# KiCad board panel_rp2354_20x20.kicad_pcb (continued)
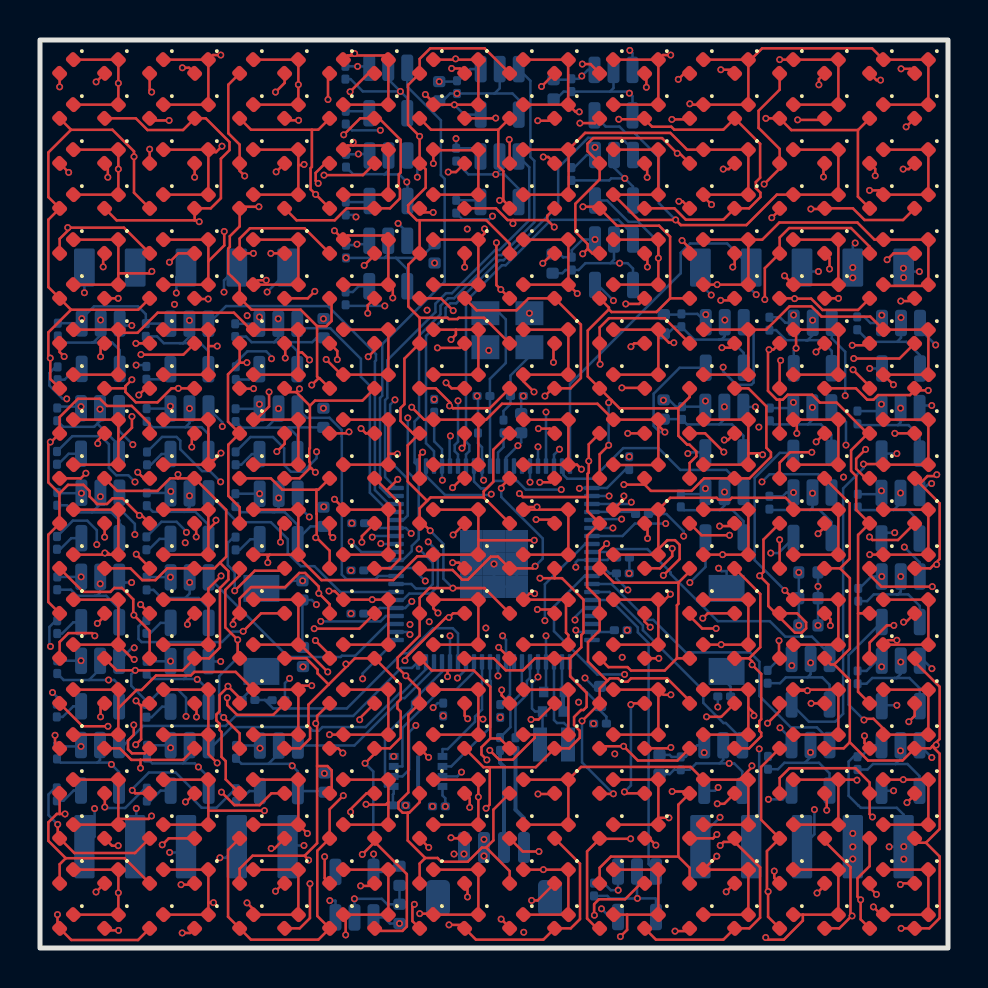
[diagram p0: board, top side]
## Routing (per net, layer and track width the routed paths; a pad name or vN(x,y) marks a point on that pad's centre or on a via; arc(x,y) is an arc through that point) (continued)
  In2.Cu w0.127: v1(42.67,28.16) 42.47,27.96 42.47,25.98 42.31,25.82 42.31,25.52 42.47,25.36 42.47,21.01 42.37,20.92 42.37,19.66 42.47,19.56 42.47,16.42 42.33,16.28 42.33,15.98 42.47,15.84 42.47,8.07 v1(42.68,7.86)
  Bottom w0.127: U39.5 v1(42.68,7.86)
/drivers/ROW_17: length 98.3
  Top w0.127: 17.42,33.26 D158.1 D138.1 ; 17.42,33.26 D118.1 17.21,35.63 15.38,35.63 D98.1 ; 17.42,33.26 17.64,33.04 v1(17.64,32.5) ; D58.1 D78.1 8.42,34.34 ; D18.1 D38.1 8.42,34.34 ; 8.42,34.34 9.21,35.13 v1(9.21,35.83) ; D238.1 26.42,33.17 26.42,35.42 D198.1 D178.1 ; D238.1 D218.1 ; D238.1 v1(26.86,32.72) ; D298.1 v1(33.86,33.17) D318.1 D278.1 ; D278.1 36.11,35.42 36.97,36.27 40.87,36.27 41.72,35.42 D338.1 D358.1 D398.1 44.36,33.11 42.23,33.11 D378.1 ; D278.1 D258.1 ; v1(14.72,35.86) D98.1 ; D98.1 15.17,35.22
  In1.Cu w0.127: v1(14.72,35.86) 14.69,35.83 v1(9.21,35.83) ; v1(17.64,32.5) 17.7,32.56 19.66,32.56 19.72,32.5 26.64,32.5 v1(26.86,32.72) 27.31,33.17 v1(33.86,33.17)
  In2.Cu w0.127: v1(33.86,33.17) 34.89,32.13 34.89,14.68 34.73,14.52 34.73,10.69 33.54,9.5 33.54,7.88 33.84,7.58 36.28,7.58 v1(36.42,7.43)
  Bottom w0.127: U40.5 37.14,7.43 v1(36.42,7.43)
/drivers/ROW_18: length 108.9
  Top w0.127: v1(15.66,40.29) 15.66,40.13 ; 15.66,40.13 15.38,40.13 D99.1 ; 15.66,40.13 17.21,40.13 D119.1 D159.1 D139.1 ; D339.1 D359.1 D399.1 D379.1 41.96,37.88 v1(41.48,37.88) ; v1(9.1,40.09) 8.8,39.8 8.42,39.8 ; 8.42,39.8 D79.1 D59.1 ; 8.42,39.8 D39.1 D19.1 ; D199.1 26.43,39.91 26.43,37.68 D239.1 D219.1 ; D199.1 27.25,40.75 31.52,40.75 32.35,39.92 D259.1 D279.1 D319.1 D299.1 33.17,37.58 v1(33.58,37.17) ; D199.1 D179.1
  In1.Cu w0.127: v1(9.1,40.09) 9.3,40.29 v1(15.66,40.29) 15.73,40.22 19.51,40.22 21.73,38 32.75,38 v1(33.58,37.17) 34.18,37.78 41.37,37.78 v1(41.48,37.88)
  In2.Cu w0.127: v1(33.58,37.17) 35.15,35.6 35.15,14.58 34.99,14.42 34.99,9.1 v1(33.91,8.03)
  Bottom w0.127: v1(33.91,8.03) 33.75,7.86 U41.5
/drivers/ROW_19: length 110.2
  Top w0.127: D240.1 26.41,42.18 26.41,44.41 D200.1 D180.1 ; D240.1 D220.1 ; D240.1 26.78,41.81 v1(26.96,41.81) ; v1(9.04,44.65) 8.65,44.65 D40.1 ; D100.1 15.38,44.63 15.52,44.63 ; D380.1 D400.1 D360.1 D340.1 41.6,44.98 36.11,44.98 35.42,44.3 ; D260.1 D280.1 35.42,44.3 ; v1(15.73,44.72) 15.61,44.72 15.52,44.63 ; 15.52,44.63 17.21,44.63 D120.1 D160.1 D140.1 ; 35.42,44.3 D320.1 D300.1 32.53,42.17 v1(32.49,42.21) ; D40.1 D80.1 D60.1 ; D40.1 D20.1
  In1.Cu w0.127: v1(9.04,44.65) 9.11,44.72 v1(15.73,44.72) 19.07,44.72 20.29,43.5 23.38,43.5 25.08,41.81 v1(26.96,41.81) 32.09,41.81 v1(32.49,42.21)
  In2.Cu w0.127: v1(26.96,41.81) 28.16,40.61 28.16,30.9 28.41,30.64 28.41,27.76 27.81,27.17 27.81,20.22 28.07,19.96 v1(28.07,1.96)
  Bottom w0.127: v1(28.07,1.96) 28.48,1.55 U42.5
/drivers/ROW_MCU_00: length 23
  Bottom w0.127: U2.21 18.73,24.27 18.73,26.33 18.95,26.55 18.95,30.61 20.03,31.69 20.03,32.11 20.4,32.49 20.7,32.49 22.86,34.65 23.08,34.65 24.72,36.28 24.72,39.36 24.52,39.55 24.52,43.36 23.94,43.95
/drivers/ROW_MCU_01: length 30.7
  In2.Cu w0.127: v1(29.49,44.88) 26.59,41.98 26.59,38.52 22.05,33.98 22.05,29.71 22.56,29.2 v1(22.56,22.69)
  Bottom w0.127: U24.3 29.62,44.74 v1(29.49,44.88) ; U2.22 19.3,23.6 20.25,22.65 22.52,22.65 v1(22.56,22.69)
/drivers/ROW_MCU_02: length 23
  Bottom w0.127: U2.23 19.7,24.84 19.3,25.24 19.3,30.6 20.28,31.58 20.28,32 20.51,32.23 20.81,32.23 22.97,34.39 23.18,34.39 25.91,37.12 25.91,39.01 27.41,40.51 29.06,40.51 29.65,39.92 U25.3
/drivers/ROW_MCU_03: length 26.1
  In1.Cu w0.127: v1(20.52,25.6) 26.21,25.6 27.3,26.69 34.37,26.69 35.36,27.68 40.19,27.68 v1(40.26,27.61)
  Bottom w0.127: v1(20.52,25.6) 20.48,25.56 20.48,24.12 U2.25 ; U26.3 39.59,30.48 40.26,29.81 v1(40.26,27.61)
/drivers/ROW_MCU_04: length 22.6
  In1.Cu w0.127: v1(34.16,29.04) 28.89,29.04 28.65,28.8 22.34,28.8 v1(20.9,27.36)
  Bottom w0.127: U27.3 35.68,30.8 35.68,28.27 35.57,28.16 34.83,28.16 34.16,28.83 v1(34.16,29.04) ; v1(20.9,27.36) 20.9,25.31 20.73,25.15 20.73,24.84 20.9,24.68 U2.26
/drivers/ROW_MCU_05: length 19
  Bottom w0.127: U2.27 21.3,24.68 21.47,24.84 21.47,25.15 21.3,25.31 21.3,32.34 23.1,34.14 23.29,34.14 25.56,36.41 28.92,36.41 29.65,35.68 U28.3
/drivers/ROW_MCU_06: length 25.8
  In1.Cu w0.127: v1(40.3,25.15) 40.88,24.56 41.34,24.56 41.6,24.31 41.6,24.1 41.31,23.81 40.45,23.81 40.34,23.92 34.53,23.92 34.29,23.69 29.28,23.69 29.16,23.56 26.71,23.56 v1(26.06,22.92)
  Bottom w0.127: v1(26.06,22.92) 24.29,22.92 23.86,23.35 22.71,23.35 22.33,22.98 22.05,22.98 21.7,23.33 U2.28 ; v1(40.3,25.15) 40.3,26.3 U29.3
/drivers/ROW_MCU_07: length 13.3
  In1.Cu w0.127: v1(24.9,25.06) 25.18,25.34 27.5,25.34 28.59,26.44 35.15,26.44 v1(35.77,27.06)
  Bottom w0.127: U30.3 v1(35.77,27.06) ; U2.36 v1(24.9,25.06)
/drivers/ROW_MCU_08: length 25.1
  In1.Cu w0.127: v1(44.78,30.15) 43.17,28.54 29.44,28.54 29.35,28.63 28.84,28.63 28.75,28.54 27.04,28.54 v1(25.3,26.8)
  Bottom w0.127: U31.3 44,30.93 v1(44.78,30.15) ; U2.37 v1(25.3,26.8)
/drivers/ROW_MCU_09: length 18.6
  In1.Cu w0.127: v1(35.94,26.05) 35.8,26.18 28.96,26.18 27.85,25.07 26.1,25.07 v1(25.97,24.94)
  In2.Cu w0.127: v1(35.94,26.05) 35.77,25.87 35.77,23.64 v1(36.1,23.3)
  Bottom w0.127: v1(25.97,24.94) 25.7,24.67 U2.38 ; U32.3 39.58,23.03 38.92,23.69 36.48,23.69 v1(36.1,23.3)
/drivers/ROW_MCU_10: length 11.2
  Bottom w0.127: U2.39 26.18,24.02 26.18,23.65 26.36,23.47 27.63,23.47 29.16,24.99 30.93,24.99 32.02,23.9 34.32,23.9 35.17,23.05 U33.3
/drivers/ROW_MCU_11: length 20.4
  In1.Cu w0.127: v1(29.08,21.44) 29.59,21.44 30.75,22.6 33.42,22.6 33.99,23.18 35.71,23.18 35.95,22.94 36.25,22.94 36.49,23.18 41.03,23.18 41.85,24 41.85,24.33 44.59,27.06 v1(44.59,27.12)
  Bottom w0.127: v1(44.59,27.12) 44.11,27.12 U34.3 ; U2.45 27.64,21.44 v1(29.08,21.44)
/drivers/ROW_MCU_12: length 17.9
  In1.Cu w0.127: v1(43.22,20.05) 36.76,20.05 36.69,20.11 34.45,20.11 33.59,20.97 32.01,20.97 31.9,20.86 28.79,20.86 v1(28.65,21)
  Bottom w0.127: U2.46 v1(28.65,21) ; v1(43.22,20.05) 43.99,19.28 U35.3
/drivers/ROW_MCU_13: length 18.9
  In1.Cu w0.127: v1(31.29,21.22) 31.53,21.46 42.82,21.46 v1(44.58,23.22)
  Bottom w0.127: v1(31.29,21.22) 29.75,21.22 29.12,20.6 U2.47 ; U36.3 44.45,23.22 v1(44.58,23.22)
/drivers/ROW_MCU_14: length 28.7
  In1.Cu w0.127: v1(25.24,16.37) 26.56,15.05 29.23,15.05 30.64,13.64 39.96,13.64 42.08,11.51 43.12,11.51 44.59,12.99 v1(44.59,13.97)
  Bottom w0.127: U2.48 27.26,20.2 25.24,18.19 v1(25.24,16.37) ; U37.3 44.19,14.37 v1(44.59,13.97)
/drivers/ROW_MCU_15: length 14.4
  Bottom w0.127: U38.3 39.48,14.68 38.6,15.57 37.27,15.57 36.49,16.34 33.89,16.34 31.53,18.7 31.53,18.78 30.37,19.95 28.58,19.95 28.43,19.8 U2.49
/drivers/ROW_MCU_16: length 26.1
  In1.Cu w0.127: v1(29.23,13.68) 29.59,13.32 39.88,13.32 42.54,10.66 43.46,10.66 v1(44.59,9.52)
  Bottom w0.127: v1(44.59,9.52) U39.3 ; U2.52 27.23,18.6 25.7,17.07 25.7,15.84 27.86,13.68 v1(29.23,13.68)
/drivers/ROW_MCU_17: length 16.4
  Bottom w0.127: U2.53 28.58,18.2 30.37,16.41 30.66,16.41 32.29,14.78 35.5,14.78 35.97,14.31 35.97,12.6 37.54,11.03 38.84,11.03 39.48,10.4 U40.3
/drivers/ROW_MCU_18: length 11.4
  Bottom w0.127: U2.54 28.48,17.8 30.14,16.13 30.14,15.89 33.17,12.87 33.17,12.26 34.17,11.25 34.29,11.25 35.11,10.43 U41.3
/drivers/ROW_MCU_19: length 15.4
  Bottom w0.127: U42.3 30.43,4.2 30.43,15.25 29.89,15.78 29.89,16.03 28.52,17.4 U2.55
/panel_header/CS0: length 32.8
  In1.Cu w0.127: v1(28.74,9.71) 27.65,8.62 21.58,8.62 21.32,8.37 16.52,8.37 13.29,5.13 v1(13.2,5.13)
  In2.Cu w0.127: v1(28.74,9.71) 28.74,20.57 29.5,21.33 29.5,21.56 v1(28.45,22.6)
  Bottom w0.127: J3.5 12.44,5.13 v1(13.2,5.13) ; U2.42 v1(28.45,22.6)
/panel_header/CS1: length 36.4
  In2.Cu w0.127: v1(9,4.51) 9,6.47 4.68,10.79 4.54,10.79 4.27,11.05 4.27,11.45 4.2,11.52 4.2,12.77 4.32,12.89 4.32,17.34 4.21,17.45 4.21,18.98 4.38,19.15 4.38,24.92 4.28,25.02 4.28,25.72 6.49,27.93 6.49,28.27 11.02,32.8 v1(11.36,32.8)
  Bottom w0.127: v1(11.36,32.8) 12.38,33.82 J5.5 ; J3.4 9.29,4.51 v1(9,4.51)
/panel_header/CS2: length 33.9
  In2.Cu w0.127: v1(9.2,32.8) 9.2,32.43 4.02,27.25 4.02,24.91 4.12,24.81 4.12,19.26 3.95,19.09 3.95,17.05 4.07,16.93 4.07,13 3.94,12.87 3.94,11.42 4.02,11.34 4.02,10.38 5.04,9.36 5.18,9.36 6.48,8.06 v1(6.48,4.78)
  Bottom w0.127: v1(6.48,4.78) 7.01,4.78 J3.3 ; v1(9.2,32.8) 9.2,33.38 J5.4
/panel_header/CS3: length 31.2
  In2.Cu w0.127: v1(6.82,32.75) 6.74,32.75 3.77,29.78 3.77,21.17 3.87,21.07 3.87,19.36 3.7,19.19 3.7,16.95 3.81,16.83 3.81,13.23 3.69,13.1 3.69,11.31 3.76,11.24 3.76,9.83 4.25,9.34 4.25,7.55 v1(4.81,6.98)
  Bottom w0.127: v1(6.82,32.75) 6.82,33.54 J5.3 ; v1(4.81,6.98) 4.81,5.12 J3.2
/panel_header/EINT: length 62.1
  In2.Cu w0.127: v1(2.73,6.97) 2.46,7.25 2.46,15.38 2.38,15.46 2.38,15.76 2.46,15.84 2.46,20.44 2.39,20.51 2.39,21.12 2.46,21.19 2.46,23.38 2.66,23.59 2.66,23.89 2.46,24.1 2.46,32.53 v1(2.22,32.76)
  In4.Cu w0.127: v1(26.75,16.4) 24.19,13.84 24.19,9.99 22.25,8.05 10.5,8.05 8.35,5.9 3.5,5.9 2.73,6.67 v1(2.73,6.97)
  Bottom w0.127: J3.1 2.73,5.57 v1(2.73,6.97) ; v1(26.75,16.4) 26.75,16.54 27.21,17 U2.56 ; v1(2.22,32.76) J5.1
/panel_header/MISO: length 33.6
  In2.Cu w0.127: v1(34,6.53) 32.52,8.01 32.52,16.39 32.87,16.73 32.87,19.91 v1(32.18,20.59) 32.77,21.18 32.77,31.86 v1(33.56,32.65)
  Bottom w0.127: v1(33.56,32.65) 33.02,33.19 J4.1 ; J2.1 33.02,5.55 v1(34,6.53) ; v1(32.18,20.59) 32.18,20.84 31.32,21.7 R29.2
/panel_header/MOSI: length 47.5
  In2.Cu w0.127: v1(35.96,9.95) 35.24,10.67 35.24,14.31 35.46,14.53 35.46,19.88 36.5,20.92 36.5,28.7 35.81,29.38 v1(35.81,32.67)
  Bottom w0.127: v1(35.81,32.67) 35.56,32.92 J4.2 34.36,35.23 32.5,35.23 32.04,34.76 32.04,33.74 26.5,28.2 U2.40 ; J2.2 35.96,5.47 v1(35.96,9.95)
/panel_header/SCK: length 45.8
  In1.Cu w0.127: v1(29.56,22.29) 30.71,23.43 35.65,23.43 35.89,23.67 40.05,23.67 v1(40.18,23.55)
  In2.Cu w0.127: v1(38.92,33.83) 38.23,33.13 38.23,23.57 38.25,23.55 ; v1(38.72,6.92) 38.01,7.63 38.01,14.33 38.32,14.64 38.32,22.43 38.25,22.5 38.25,23.55 ; 38.25,23.55 v1(40.18,23.55)
  Bottom w0.127: v1(29.56,22.29) 29.48,22.2 U2.43 ; J4.3 38.3,33.83 v1(38.92,33.83) ; J2.3 38.72,5.69 v1(38.72,6.92)
/panel_mcu/D+: length 4.9
  Bottom w0.2: R7.1 23,9.27 23.2,9.07 J1.3
/panel_mcu/D-: length 5
  Bottom w0.2: R8.1 23.78,6.92 24.2,6.49 J1.4
/panel_mcu/QSPI_SCLK: length 6.5
  Bottom w0.127: U2.71 22.5,13.39 22.54,13.35 22.54,11.06 20.56,9.08 U1.6
/panel_mcu/QSPI_SD0: length 5.7
  Bottom w0.127: U1.5 20.12,9.95 20.38,9.95 21.75,11.31 21.75,11.57 22.1,11.92 U2.72
/panel_mcu/QSPI_SD1: length 8.3
  In2.Cu w0.127: v1(20.87,13.5) 20.67,13.3 20.67,11.6 20.2,11.13 v1(18.79,11.13)
  Bottom w0.127: U2.74 21.3,13.93 v1(20.87,13.5) ; U1.2 18.12,8.58 18.46,8.92 18.46,10.8 v1(18.79,11.13)
/panel_mcu/QSPI_SD2: length 7.6
  Bottom w0.127: U1.3 18.12,9.08 18.12,11.01 20.05,12.94 20.83,12.94 21.7,13.81 U2.73
/panel_mcu/QSPI_SD3: length 7.4
  In2.Cu w0.127: v1(21.07,8.79) 21.02,8.85 21.02,11.72 v1(22.9,13.6)
  Bottom w0.127: U2.70 v1(22.9,13.6) ; v1(21.07,8.79) 20.86,8.58 U1.7
/panel_mcu/QSPI_SS: length 13.9
  Bottom w0.127: U2.75 20.9,15.73 20.64,15.99 19.65,15.99 18.4,14.73 18.1,14.73 15.34,11.98 11.66,11.98 11.24,12.4 ; R3.1 11.24,12.4 ; 11.24,12.4 11.6,12.4 R4.2
/panel_mcu/RUN: length 13.4
  In1.Cu w0.127: v1(33.93,18.99) 33.31,19.61 30.44,19.61 30.44,19.62 28.14,19.62 24.5,23.26 v1(24.5,23.29)
  Bottom w0.127: v1(33.93,18.99) 34.07,18.85 34.33,18.85 SW2.2 ; U2.35 v1(24.5,23.29)
/panel_mcu/VREG_AVDD: length 3.8
  Bottom w0.127: R6.2 28.32,11.56 28,11.88 C7.1 26.99,13.13 26.98,13.13 26.5,13.61 U2.61
/panel_mcu/VREG_LX: length 4.6
  Bottom w0.127: L1.2 26.4,11.05 26.2,11.25 25.85,11.25 25.7,11.4 U2.63
/panel_mcu/XIN: length 8.8
  Bottom w0.127: U2.30 22.5,27.59 22.5,27.6 22.5,27.7 ; 22.5,27.7 22.5,27.7 ; 22.5,27.7 22.5,28.45 23.29,29.25 23.29,31.43 22.98,31.74 Y1.1
/panel_mcu/XIP_CS1n: length 8.8
  Bottom w0.127: 17.64,7.13 17.64,7.67 17.69,7.71 U1.1 17.25,8.08 17.25,10.62 18.61,11.98 18.61,12.31 20.1,13.81 U2.77
/panel_mcu/XOUT: length 1.8
  Bottom w0.127: U2.31 22.9,24.78 23.17,25.05 R5.1
/panel_mcu/~{USB_BOOT}: length 1.8
  Bottom w0.127: SW1.2 11.07,13.44 10.11,12.48 R3.2
Net-(C2-Pad1): length 4.2
  Bottom w0.127: R5.2 23.17,26.85 23.53,27.2 C2.1 23.53,28.62 24.47,29.57 Y1.3
Net-(D1-A): length 105.2
  Top w0.127: D19.2 5.48,39.94 v1(5.48,39.94) ; 0.98,6.7 v1(1.25,6.7) ; 0.98,6.7 D9.2 ; 0.98,6.7 0.84,6.7 0.42,6.28 0.42,5.36 1.29,4.49 ; D20.2 5.48,42.9 v1(5.58,42.8) ; v1(5.03,17.17) 5.47,16.73 D14.2 ; D11.2 4.22,4.49 1.29,4.49 ; 0.97,22.73 0.42,23.28 0.42,25.2 v1(0.52,25.3) 0.55,25.3 D5.2 0.98,26.55 1.89,27.46 3,27.46 3.35,27.1 4.59,27.1 5.48,26.21 D16.2 ; 0.97,22.73 1.4,23.16 2.17,23.16 2.48,22.85 2.48,22.58 2.86,22.2 3.35,22.2 3.63,22.48 4.12,22.48 v1(4.97,21.63) 5.09,21.63 D15.2 ; 0.97,22.73 0.97,21.24 D6.2 0.41,20.66 0.41,17.3 D7.2 ; D4.2 0.98,29.8 v1(1.21,29.57) ; 5.06,12.14 5.06,10.43 v1(4.79,10.16) ; 5.06,12.14 5.39,12.14 D13.2 ; 5.06,12.14 5.02,12.14 v1(4.8,12.36) ; D17.2 v1(4.8,30.23) ; v1(0.98,43.06) D1.2 ; 1.47,35.94 0.98,35.46 D3.2 ; 1.47,35.94 1.54,36.02 4.2,36.02 D18.2 ; 1.47,35.94 v1(1.39,36.02) ; 1.29,4.49 0.98,4.19 D10.2 ; D2.2 v1(1.43,38.78) ; D8.2 2.13,11.09 v1(3.4,11.09) ; D12.2 4.76,7.73 v1(4.61,7.88)
  In1.Cu w0.127: v1(5.48,39.94) 2.59,39.94 v1(1.43,38.78) ; v1(3.4,11.09) 3.53,11.09 v1(4.8,12.36) ; v1(1.21,29.57) 1.87,30.23 v1(4.8,30.23) ; v1(1.25,6.7) 2.43,7.88 v1(4.61,7.88) 4.61,9.99 v1(4.79,10.16)
  In2.Cu w0.127: v1(5.58,42.8) 5.48,42.7 v1(5.48,39.94) ; v1(0.52,25.3) 0.52,28.88 v1(1.21,29.57) 1.39,29.75 v1(1.39,36.02) 1.43,36.07 v1(1.43,38.78) D2.2 v1(0.98,43.06) ; v1(4.97,21.63) 5.28,21.32 5.28,17.42 v1(5.03,17.17) 5.22,16.98 5.22,12.77 v1(4.8,12.36)
  Bottom w0.127: R9.2 9.78,7.97 8.83,7.01 8.08,7.01 7.56,7.54 7.56,8 6.78,8.77 5.44,8.77 4.61,7.94 v1(4.61,7.88)
Net-(D21-A): length 103.7
  Top w0.127: D35.2 7.81,21.15 v1(7.81,20.56) ; v1(7.59,25.05) 7.59,25.59 D36.2 ; D23.2 3.16,34.66 v1(3.16,34.06) ; v1(7.73,38.54) D39.2 ; D27.2 3.23,16.6 v1(2.87,16.23) ; D25.2 2.89,25.39 v1(2.89,25.22) ; D22.2 3.39,39.07 v1(3.39,38.54) ; v1(3.03,29.57) 3.03,30.03 D24.2 ; D33.2 7.82,12.14 v1(7.82,11.55) ; v1(3.23,20.54) D26.2 ; D32.2 7.3,7.3 v1(7.27,7.3) ; v1(7.12,44.01) 7.45,44.01 D40.2 ; D31.2 7.67,3.17 v1(7.05,3.17) ; v1(3.24,7.05) 3.24,7.72 D29.2 ; v1(7.37,16.18) 7.37,16.37 D34.2 ; v1(5.05,29.67) 5.05,29.67 7.17,29.67 D37.2 ; D38.2 6.92,34.73 v1(6.47,34.29) ; D21.2 v1(2.8,43.3) ; D28.2 3.03,12.03 v1(3.03,11.56) ; D30.2 v1(2.8,2.8)
  In1.Cu w0.127: v1(7.12,44.01) 3.51,44.01 v1(2.8,43.3) ; v1(3.03,29.57) 3.14,29.67 v1(5.05,29.67) ; v1(6.47,34.29) 3.39,34.29 v1(3.16,34.06) ; v1(7.82,11.55) 7.27,11 v1(7.27,7.3) 7.23,7.35 3.54,7.35 v1(3.24,7.05) ; v1(7.37,16.18) 7.32,16.23 v1(2.87,16.23)
  In2.Cu w0.127: 3.03,16.23 3.11,16.15 3.11,15.46 3.03,15.38 v1(3.03,11.56) 3.03,7.26 v1(3.24,7.05) 3.24,3.24 v1(2.8,2.8) ; 3.03,16.23 2.87,16.23 v1(2.87,16.23) ; 3.03,16.23 3.41,16.61 3.41,19.35 3.62,19.56 3.62,20.16 v1(3.23,20.54) 3.42,20.73 3.42,25.16 3.35,25.22 ; v1(2.8,43.3) 2.8,39.12 v1(3.39,38.54) 3.16,38.3 v1(3.16,34.06) 3.4,33.82 3.4,29.94 v1(3.03,29.57) 3.41,29.18 3.41,25.29 3.35,25.22 ; v1(7.27,7.3) 7.27,3.39 v1(7.05,3.17) ; 3.35,25.22 2.89,25.22 v1(2.89,25.22) ; v1(7.59,25.05) 7.87,24.77 7.87,20.61 v1(7.81,20.56) 7.91,20.46 7.91,16.72 v1(7.37,16.18) ; v1(7.73,38.54) 6.47,37.28 v1(6.47,34.29)
  Bottom w0.127: v1(3.24,7.05) 3.29,7 4.26,7 5.25,7.99 R10.2
Net-(D41-A): length 119.3
  Top w0.127: D55.2 5.48,19.02 v1(4.81,19.69) ; D58.2 4.91,31.91 1.55,31.91 ; D45.2 2.04,23.48 v1(2.3,23.74) ; D48.2 0.75,10.21 v1(0.75,10.64) ; 1.55,31.91 0.42,30.78 0.42,29.59 v1(0.51,29.5) 0.51,28.45 D44.2 ; 1.55,31.91 D43.2 0.42,33.05 0.42,36.42 D42.2 0.42,37.55 0.42,39.78 1.55,40.91 ; D41.2 1.55,40.91 ; 1.55,40.91 3.62,40.91 4.7,39.83 v1(4.7,39.56) 4.7,37.76 D59.2 ; v1(2.74,15.61) 2.61,15.74 1.42,15.74 0.98,15.3 D47.2 ; D54.2 5.48,15.86 v1(4.69,16.65) 4.66,16.68 4.66,17.43 4.1,18 3.71,18 3.52,17.81 2.16,17.81 D46.2 ; D52.2 4.75,4.75 1.71,4.75 D49.2 0.89,5.58 v1(0.89,6.18) ; D57.2 5.27,27.98 v1(4.94,27.65) ; D60.2 5.59,41.38 v1(6.46,41.38) ; v1(4.89,23.79) 5.19,23.48 D56.2 ; D51.2 4.9,0.4 1.56,0.4 D50.2 0.87,1.09 v1(0.87,1.67) ; v1(4.69,11.15) 4.69,10.66 4.4,10.38 4.4,9.93 4.6,9.73 5.23,9.73 D53.2
  In1.Cu w0.127: v1(0.89,6.18) 0.89,6.18 0.89,7.35 v1(4.69,11.15) ; 2.36,23.8 v1(2.3,23.74) 1.64,23.08 1.64,17.51 2.5,16.65 ; 2.36,23.8 4.87,23.8 v1(4.89,23.79) ; 2.36,23.8 0.92,25.25 0.92,27.83 ; v1(0.51,29.5) 0.51,28.24 0.92,27.83 ; 0.92,27.83 4.76,27.83 v1(4.94,27.65) ; v1(2.74,15.61) 2.5,15.85 2.5,16.65 ; 2.5,16.65 v1(4.69,16.65)
  In2.Cu w0.127: v1(0.87,1.67) 0.89,1.69 v1(0.89,6.18) 0.89,6.18 0.89,10.64 ; 0.89,10.64 1,10.75 1,22.44 v1(2.3,23.74) ; 0.89,10.64 v1(0.75,10.64) ; v1(6.46,41.38) 6.46,40.37 5.65,39.56 v1(4.7,39.56) ; v1(4.81,19.69) 4.98,19.52 4.98,18.11 4.62,17.75 4.62,16.72 v1(4.69,16.65)
  Bottom w0.127: R11.2 0.75,8.01 0.42,7.68 0.42,6.64 v1(0.89,6.18)
Net-(D61-A): length 102.8
  Top w0.127: 4.27,27.98 4.27,27.8 4.79,27.28 5.87,27.28 6.57,27.98 v1(6.92,27.98) D77.2 ; 4.27,27.98 4.27,28.09 v1(4.59,28.42) ; 4.27,27.98 D64.2 ; 9,19.26 8.73,18.98 D75.2 6.36,18.98 5.77,18.39 5.11,18.39 4.52,18.98 D66.2 ; 9,19.26 9.31,19.57 9.31,21.9 D76.2 6.9,23.48 ; 9,19.26 9.42,18.84 9.42,18.42 9,18 9,15.02 8.45,14.48 D74.2 7.13,13.88 v1(4.76,13.88) 3.83,13.88 D67.2 ; 7.73,36.38 7.89,36.38 v1(7.96,36.31) ; 7.73,36.38 3.83,36.38 D62.2 ; 7.73,36.38 D79.2 8.54,36.98 9.04,37.49 9.04,39.46 9.47,39.89 9.47,40.3 8.29,41.48 D80.2 7.15,40.9 5.38,40.9 4.79,41.48 D61.2 ; D71.2 7.5,0.75 v1(7.11,0.75) ; D68.2 3.99,9.98 4.57,9.41 5.02,9.41 ; D73.2 7.16,9.41 5.02,9.41 ; 6.9,23.48 6.5,23.48 5.88,22.86 3.86,22.86 D65.2 ; 6.9,23.48 v1(6.9,23.68) ; v1(8.41,32.45) 7.76,32.45 D78.2 ; D72.2 6.43,5.48 v1(6.11,5.16) ; 5.02,9.41 v1(5.02,9) ; v1(3.93,0.88) 3.34,0.88 D70.2 ; D69.2 3.6,5.11 v1(3.91,5.11) ; D63.2 v1(3.91,32.48)
  In1.Cu w0.127: v1(5.02,9) 5.02,9.3 v1(7.3,11.58) ; 6.72,32.33 8.29,32.33 v1(8.41,32.45) ; 6.72,32.33 4.06,32.33 v1(3.91,32.48) ; 6.72,32.33 v1(6.72,32.18) ; v1(6.11,5.16) 6.07,5.11 v1(3.91,5.11) ; v1(3.93,0.88) 6.98,0.88 v1(7.11,0.75)
  In2.Cu w0.127: v1(4.59,28.42) 6.72,30.55 v1(6.72,32.18) ; v1(5.02,9) 5.2,8.82 5.2,6.4 v1(3.91,5.11) 3.52,4.72 3.52,1.29 v1(3.93,0.88) ; v1(7.96,36.31) 7.96,32.9 v1(8.41,32.45) ; v1(6.9,23.68) 6.9,27.96 v1(6.92,27.98)
  Bottom w0.127: v1(7.3,11.58) 7.3,12.51 6.88,12.93 6.07,12.93 R12.2 5.33,12.35 4.56,13.11 4.56,13.68 v1(4.76,13.88)
Net-(D100-A): length 115.5
  Top w0.127: D91.2 14.23,3.48 v1(14.23,4.57) ; 9.98,29.27 9.4,28.69 9.4,26.31 D85.2 9.42,25.17 9.42,22.61 9.98,22.04 D86.2 ; 9.98,29.27 D84.2 ; 9.98,29.27 v1(10.35,29.27) ; 13.85,11.23 13.85,9.1 ; 13.85,11.23 13.85,11.6 D93.2 ; 13.85,11.23 v1(13.79,11.23) ; 13.85,9.1 14.37,9.1 14.59,8.88 14.59,7.84 D92.2 ; 13.85,9.1 13.85,5.24 13.23,4.61 ; 9.41,13.08 v1(9.4,13.09) ; 9.41,13.08 9.98,12.51 D88.2 ; 9.41,13.08 8.98,12.64 8.98,11.84 8.82,11.68 8.82,11.37 8.98,11.21 8.98,10.9 9.08,10.8 9.08,9.55 9.29,9.34 9.29,8.43 D89.2 ; 13.23,4.61 10.63,4.61 9.98,3.97 D90.2 ; 13.23,4.61 13.43,4.41 v1(13.43,4.39) ; D81.2 9.42,43.17 9.42,40.74 9.98,40.17 D82.2 9.98,38.86 v1(10.23,38.6) ; D97.2 14.86,29.85 v1(14.86,29.42) ; v1(9.65,16.19) 9.65,16.4 D87.2 9.98,17.47 10.55,18.04 12.26,18.04 12.96,18.75 13.26,18.75 13.94,18.07 v1(13.94,17.73) 14.48,17.19 D94.2 ; D96.2 15.38,25.73 v1(15.45,25.81) ; D100.2 14.4,43.65 v1(14.4,42.42) ; v1(10.67,34.73) D83.2 9.98,35.47 10.5,35.99 13.23,35.99 D98.2 ; v1(14.64,20.52) 14.48,20.68 D95.2 ; v1(13.91,38.23) 13.78,38.36 13.78,38.76 14.26,39.23 D99.2
  In1.Cu w0.127: v1(9.4,13.09) 9.09,12.77 8.93,12.77 ; v1(10.23,38.6) 10.61,38.23 v1(13.91,38.23) ; v1(13.79,11.23) 10.06,11.23 8.93,12.36 8.93,12.77 ; 8.93,12.77 v1(0.63,12.77) ; v1(14.23,4.57) 14.06,4.39 v1(13.43,4.39)
  In2.Cu w0.127: 11.17,29.27 11.17,31.15 11.46,31.44 11.46,32.21 11.76,32.51 11.76,33.65 v1(10.67,34.73) 10.23,35.17 v1(10.23,38.6) ; 11.17,29.27 v1(10.35,29.27) ; 11.17,29.27 11.4,29.04 14.48,29.04 v1(14.86,29.42) 15.45,28.83 v1(15.45,25.81) 15.45,22.02 14.64,21.21 v1(14.64,20.52) 14.82,20.34 14.82,17.67 14.63,17.48 14.19,17.48 v1(13.94,17.73) ; v1(13.91,38.23) 13.76,38.38 13.76,41.78 v1(14.4,42.42) ; v1(9.4,13.09) 9.47,13.16 9.47,16.01 v1(9.65,16.19)
  Bottom w0.127: v1(0.63,12.77) 0.84,12.56 0.84,12.2
Net-(D101-A): length 125.8
  Top w0.127: D101.2 12.23,43.25 v1(11.77,42.8) ; D105.2 12.23,25.21 v1(11.84,24.82) ; D104.2 12.26,30.2 v1(12.26,29.5) ; D110.2 12.17,3.23 v1(11.78,2.84) ; v1(16.05,25.97) 16.29,25.73 D116.2 ; v1(16.21,34.13) 16.73,34.65 D118.2 ; D111.2 16.61,3.11 v1(16.03,3.11) ; D114.2 15.97,15.97 v1(13.71,15.97) ; v1(10.16,15.83) 11.05,16.73 D107.2 ; D119.2 16.14,38.64 v1(14.2,38.64) ; D109.2 11.57,7.73 10.98,7.14 9.72,7.14 v1(9.07,7.79) ; v1(9.36,12.51) 9.36,12.15 9.85,11.66 11.66,11.66 D108.2 ; v1(15.53,6.8) 15.53,6.94 16.32,7.73 D112.2 ; v1(16.09,20.29) 16.09,20.59 D115.2 ; D103.2 v1(11.54,34.73) ; v1(16.41,29.56) 16.73,29.88 D117.2 ; v1(15.99,11.41) 15.99,11.49 D113.2 ; D102.2 v1(11.81,38.81) ; v1(15.5,42.81) 16.42,43.73 D120.2 ; v1(12.02,20.29) 12.02,21.02 D106.2
  In1.Cu w0.127: v1(15.99,11.41) 15.14,12.26 9.62,12.26 v1(9.36,12.51) ; v1(10.16,15.83) 10.29,15.97 v1(13.71,15.97) ; v1(14.2,38.64) 14.04,38.81 v1(11.81,38.81) ; v1(12.02,20.29) 12.28,20.29 12.68,19.9 15.7,19.9 v1(16.09,20.29) ; v1(15.5,42.81) 15.49,42.8 v1(11.77,42.8) ; v1(11.78,2.84) 15.76,2.84 v1(16.03,3.11)
  In2.Cu w0.127: v1(12.02,20.29) 12.38,20.65 12.38,24.28 v1(11.84,24.82) ; v1(13.71,15.97) 14.27,15.97 16.09,17.79 16.09,20.29 ; 11.77,38.81 11.54,38.57 v1(11.54,34.73) 13.37,32.9 13.37,32.68 13.59,32.47 13.81,32.47 14.18,32.1 ; 11.77,38.81 v1(11.81,38.81) ; 11.77,38.81 v1(11.77,42.8) ; 14.18,32.1 14.18,32.09 14.18,32.02 ; 14.18,32.1 v1(16.21,34.13) ; 14.18,32.02 16.41,29.79 v1(16.41,29.56) 16.05,29.2 v1(16.05,25.97) 16.09,25.93 16.09,20.29 ; 14.18,32.02 12.26,30.1 v1(12.26,29.5) ; 16.09,20.29 v1(16.09,20.29) ; v1(11.78,2.84) 10.85,3.76 10.85,7.02 ; 10.85,7.02 10.08,7.79 v1(9.07,7.79) ; 10.85,7.02 12.52,8.69 13.26,8.69 v1(15.99,11.41) ; v1(16.03,3.11) 15.53,3.61 v1(15.53,6.8) ; v1(9.36,12.51) 10.27,13.42 10.27,15.72 v1(10.16,15.83)
  Bottom w0.127: v1(10.16,15.83) 10.14,15.82 9.62,15.82 9.1,15.3 5.08,15.3 4.92,15.45 4.92,16.08 5.22,16.38 R14.2
Net-(D121-A): length 109.8
  Top w0.127: 13.59,40.91 13.91,40.91 D140.2 ; 13.59,40.91 13.59,39.05 13.53,38.99 13.53,37.93 v1(13.78,37.68) D139.2 ; 13.59,40.91 10.55,40.91 D121.2 ; D134.2 14.48,14.66 v1(13.77,15.37) ; D125.2 11.55,23.48 12.11,22.91 13.82,22.91 ; 13.82,22.91 13.91,22.91 D136.2 ; 13.82,22.91 13.82,21.71 13.83,21.7 13.83,20.52 ; D137.2 13.97,28.49 13.93,28.49 ; 13.83,20.52 v1(13.79,20.52) ; 13.83,20.52 14.48,19.87 D135.2 ; D124.2 10,27.97 v1(10.68,27.97) ; D138.2 14.58,32.39 14.58,31.35 14.32,31.09 13.85,31.09 ; v1(15.17,7.62) 14.48,6.93 D132.2 13.86,4.86 13.86,1.6 D131.2 13.92,0.42 10.55,0.42 D130.2 9.4,1.56 9.4,4.9 D129.2 ; v1(9.19,11.52) 9.98,10.73 D128.2 ; 13.93,28.49 v1(13.59,28.15) ; 13.93,28.49 13.85,28.57 13.85,31.09 ; 13.85,31.09 13.03,31.92 10.58,31.92 10.01,32.48 D123.2 9.98,33.17 9.41,33.74 9.41,34.97 9.49,35.05 9.49,35.59 9.98,36.08 D122.2 10.06,37.06 v1(10.95,37.06) ; D126.2 9.98,18.62 9.27,17.91 9.27,16.03 v1(9.89,15.41) 9.89,14.58 D127.2 ; v1(15.14,9.75) 14.91,9.98 D133.2
  In1.Cu w0.127: v1(0.52,15.08) 3.9,15.08 4.4,15.58 8.68,15.58 8.85,15.41 v1(9.89,15.41) 13.73,15.41 v1(13.77,15.37) ; v1(10.95,37.06) 13.16,37.06 v1(13.78,37.68) ; v1(10.68,27.97) 11.03,28.32 13.12,28.32 13.29,28.15 v1(13.59,28.15) ; v1(9.19,11.52) 10.14,10.57 11.11,10.57 11.94,9.75 v1(15.14,9.75)
  In2.Cu w0.127: v1(15.14,9.75) 15.17,9.72 v1(15.17,7.62) ; v1(13.59,28.15) 13.4,27.97 13.4,22.13 13.87,21.67 13.87,20.6 v1(13.79,20.52) 13.79,18.1 13.3,17.61 13.3,15.84 v1(13.77,15.37)
  Bottom w0.127: v1(0.52,15.08) 0.47,15.13 0.47,16.05 0.78,16.37 R15.2 ; v1(9.89,15.41) 9.89,14.52 8.96,13.59 8.96,11.75 v1(9.19,11.52)
Net-(D141-A): length 125.7
  Top w0.127: D147.2 13.31,14.48 13.88,13.92 13.88,13.73 14.43,13.17 ; D152.2 16.74,5.48 16.74,5.3 ; 13.5,27.11 12.81,27.79 ; 13.5,27.11 13.75,27.37 16.12,27.37 D157.2 ; 13.5,27.11 13.5,25 13.46,24.96 13.46,24.33 13.5,24.3 13.5,24 ; 12.81,27.79 12.42,27.79 D144.2 ; 12.81,27.79 v1(12.97,27.95) ; 13.5,24 12.98,23.48 D145.2 ; 13.5,24 13.56,24 v1(13.77,23.79) ; D155.2 17.53,18.98 18,19.45 18,22.22 17.34,22.88 ; v1(13.74,32.83) 13.39,32.48 D143.2 ; v1(11.56,4.98) 11.73,4.98 D149.2 ; 14.43,13.17 15.38,14.12 ; 14.43,13.17 13.42,12.17 13.42,11.08 13.5,11 13.5,10.47 13.01,9.98 D148.2 ; 15.38,14.12 15.74,14.48 D154.2 18.04,13.18 18.04,12.44 17.87,12.28 17.87,11.98 18.04,11.82 18.04,10.52 17.5,9.98 D153.2 16.73,9.72 v1(16.25,9.24) ; 15.38,14.12 v1(15.3,14.2) ; D142.2 12.83,36.39 14.74,36.39 15.33,36.98 D159.2 17.5,36.98 18,37.48 18,37.95 17.94,38 17.94,38.68 18.03,38.78 18.03,40.4 16.95,41.48 D160.2 16.01,41.48 v1(15.19,40.66) ; D146.2 12.11,18.86 10.74,18.86 v1(9.74,17.86) ; v1(12.93,41.38) 12.33,41.38 D141.2 ; 17.34,22.88 v1(17.89,23.43) ; 17.34,22.88 D156.2 ; D158.2 16.39,32.14 v1(16.39,31.74) ; 16.74,5.3 v1(16.11,4.68) ; 16.74,5.3 18.34,3.7 18.34,1.07 18.12,0.86 16.86,0.86 D151.2 ; v1(13.5,3.22) 13.5,1.5 12.98,0.98 D150.2
  In1.Cu w0.127: v1(16.39,31.74) 15.44,32.68 13.74,32.68 ; 13.74,32.68 13.23,32.17 10.91,32.17 v1(10.36,31.62) ; 13.74,32.68 v1(13.74,32.83) ; v1(11.56,4.98) 12.53,4 13.5,4 ; v1(13.77,23.79) 17.53,23.79 v1(17.89,23.43) ; v1(12.93,41.38) 13.65,40.66 v1(15.19,40.66) ; 13.5,4 v1(13.5,3.22) ; 13.5,4 15.44,4 v1(16.11,4.68)
  In2.Cu w0.127: v1(17.89,23.43) 17.89,17.46 15.3,14.86 v1(15.3,14.2) 14.61,14.89 12.71,14.89 v1(9.74,17.86) ; v1(12.97,27.95) 12.4,28.53 10.56,28.53 9.95,29.14 9.95,31.21 v1(10.36,31.62) ; v1(13.74,32.83) 13.74,35.55 15.19,37 v1(15.19,40.66)
  Bottom w0.127: v1(16.25,9.24) 16.67,8.82 16.67,5.23 v1(16.11,4.68) ; v1(9.74,17.86) 9.74,18.8 9.39,19.14 9.39,20.25 9.68,20.55 R16.2
